# Altium PCB FD-KL-ASM-SUB-PCBA-MAIN.PcbDoc (part 1 of 4)
Units mm, origin at the board's own origin, x right, y up, seen from the top; angles counter-clockwise.
Board outline 32.6 x 105.94 mm, 4 copper layers (L1, L2, L3, L4), stack 1.514 mm thick; 339 components, 165 nets, 967 pads, 530 vias.
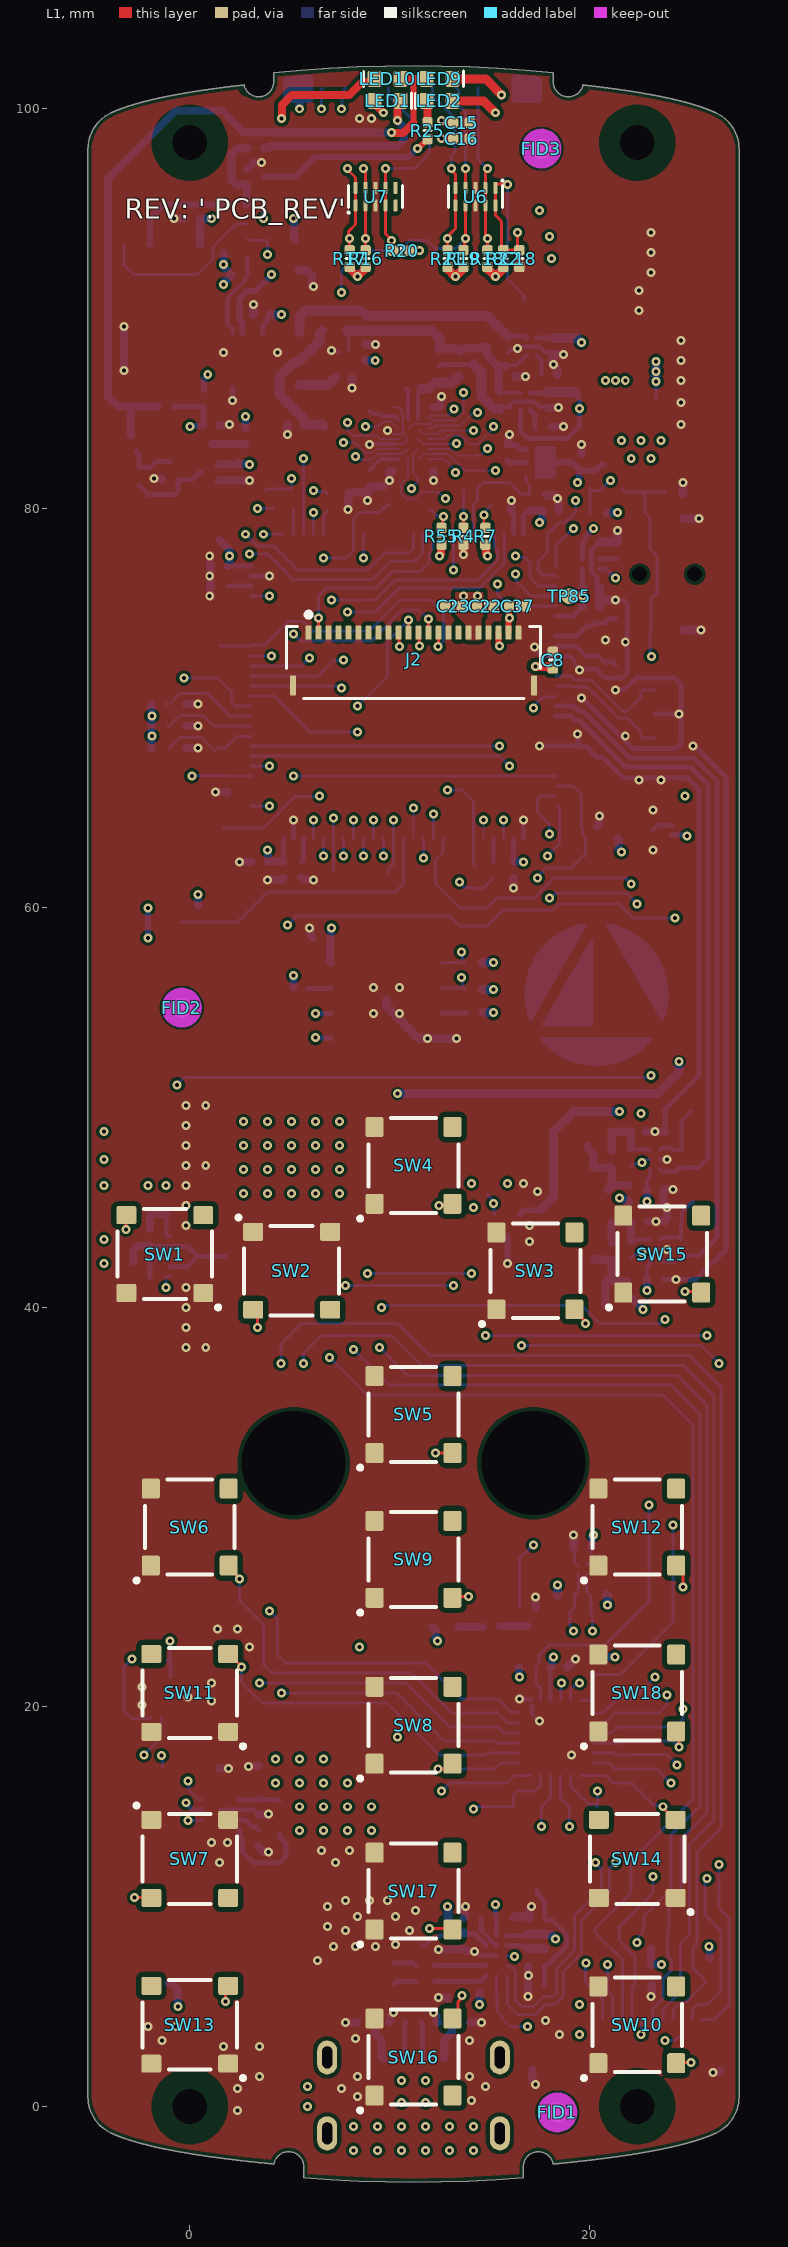
[diagram p0: L1 view]
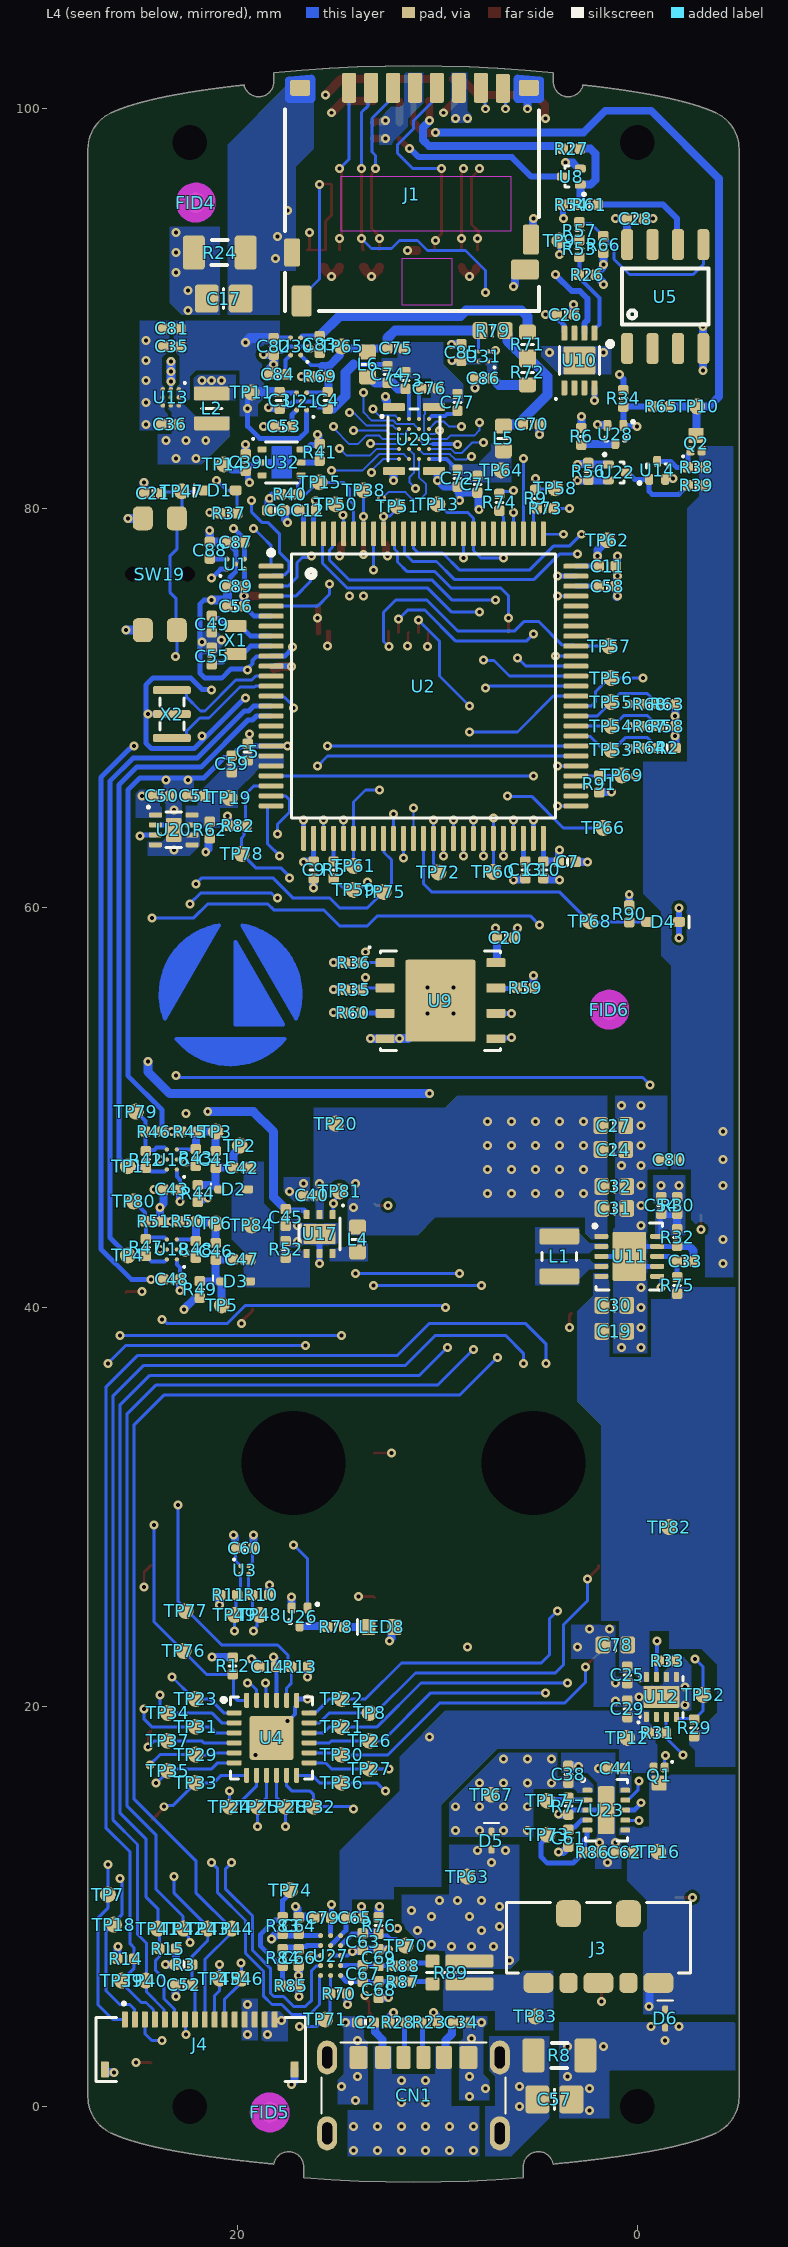
[diagram p1: L4 view, seen from below]
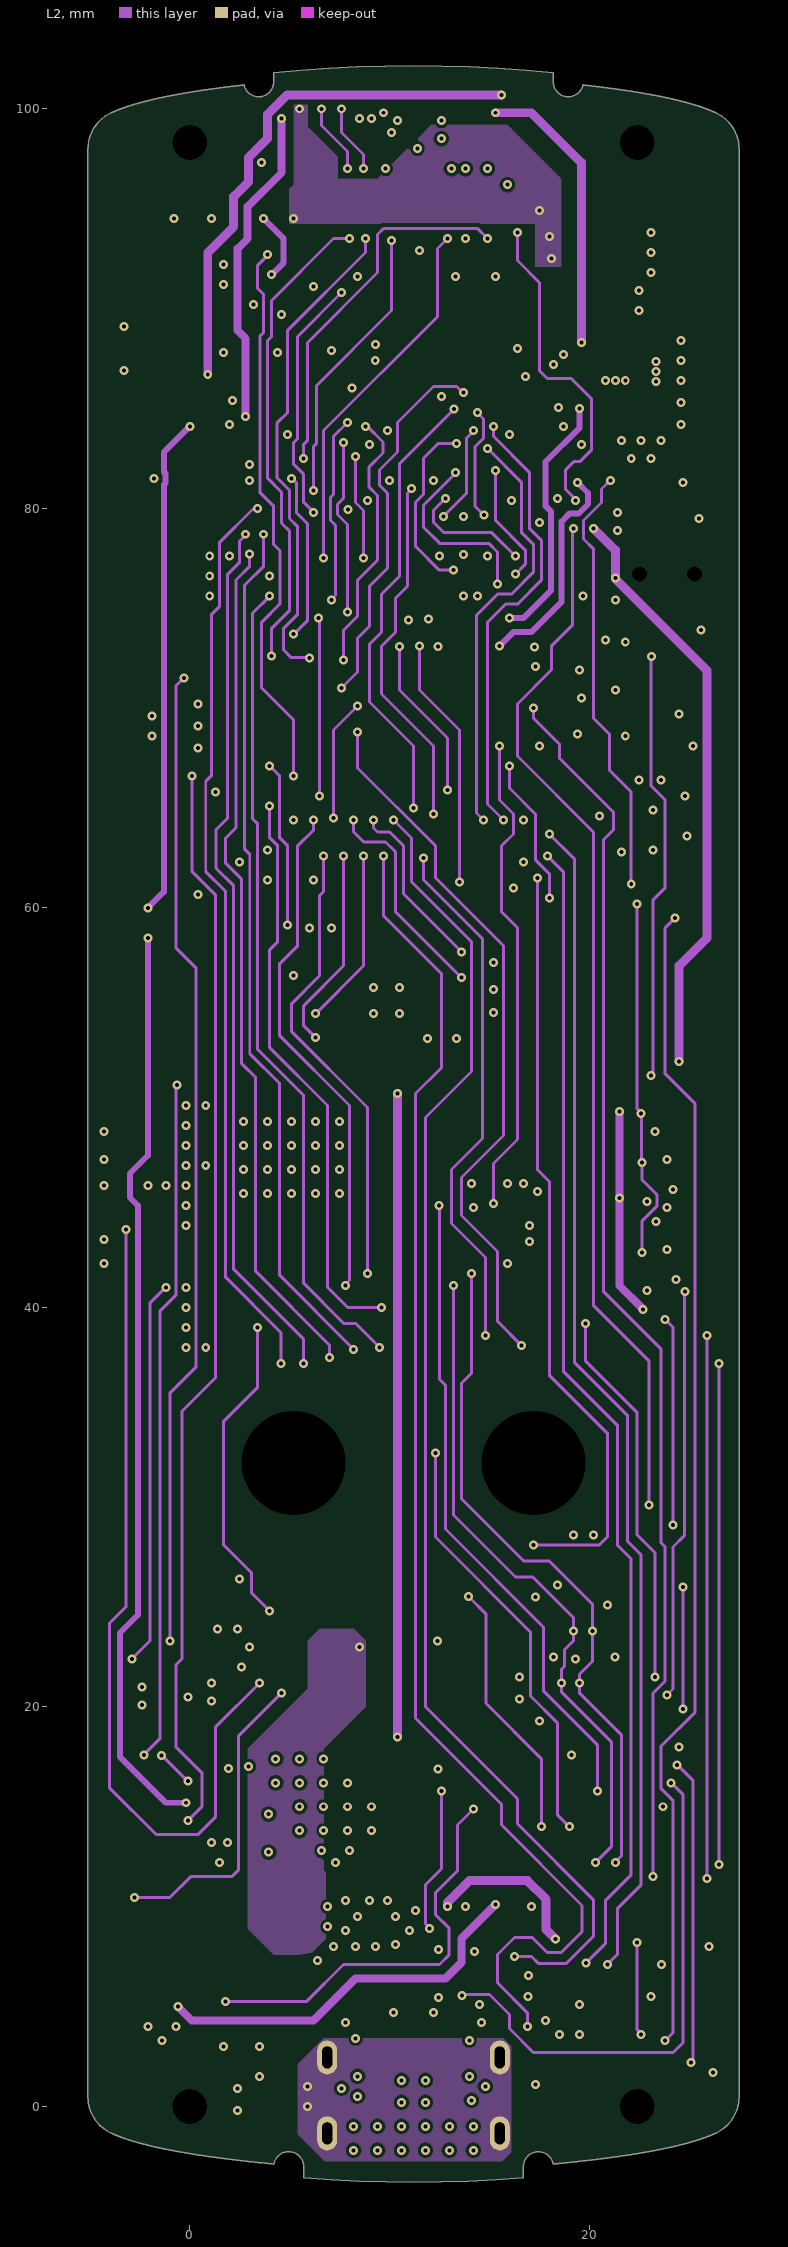
[diagram p2: L2]
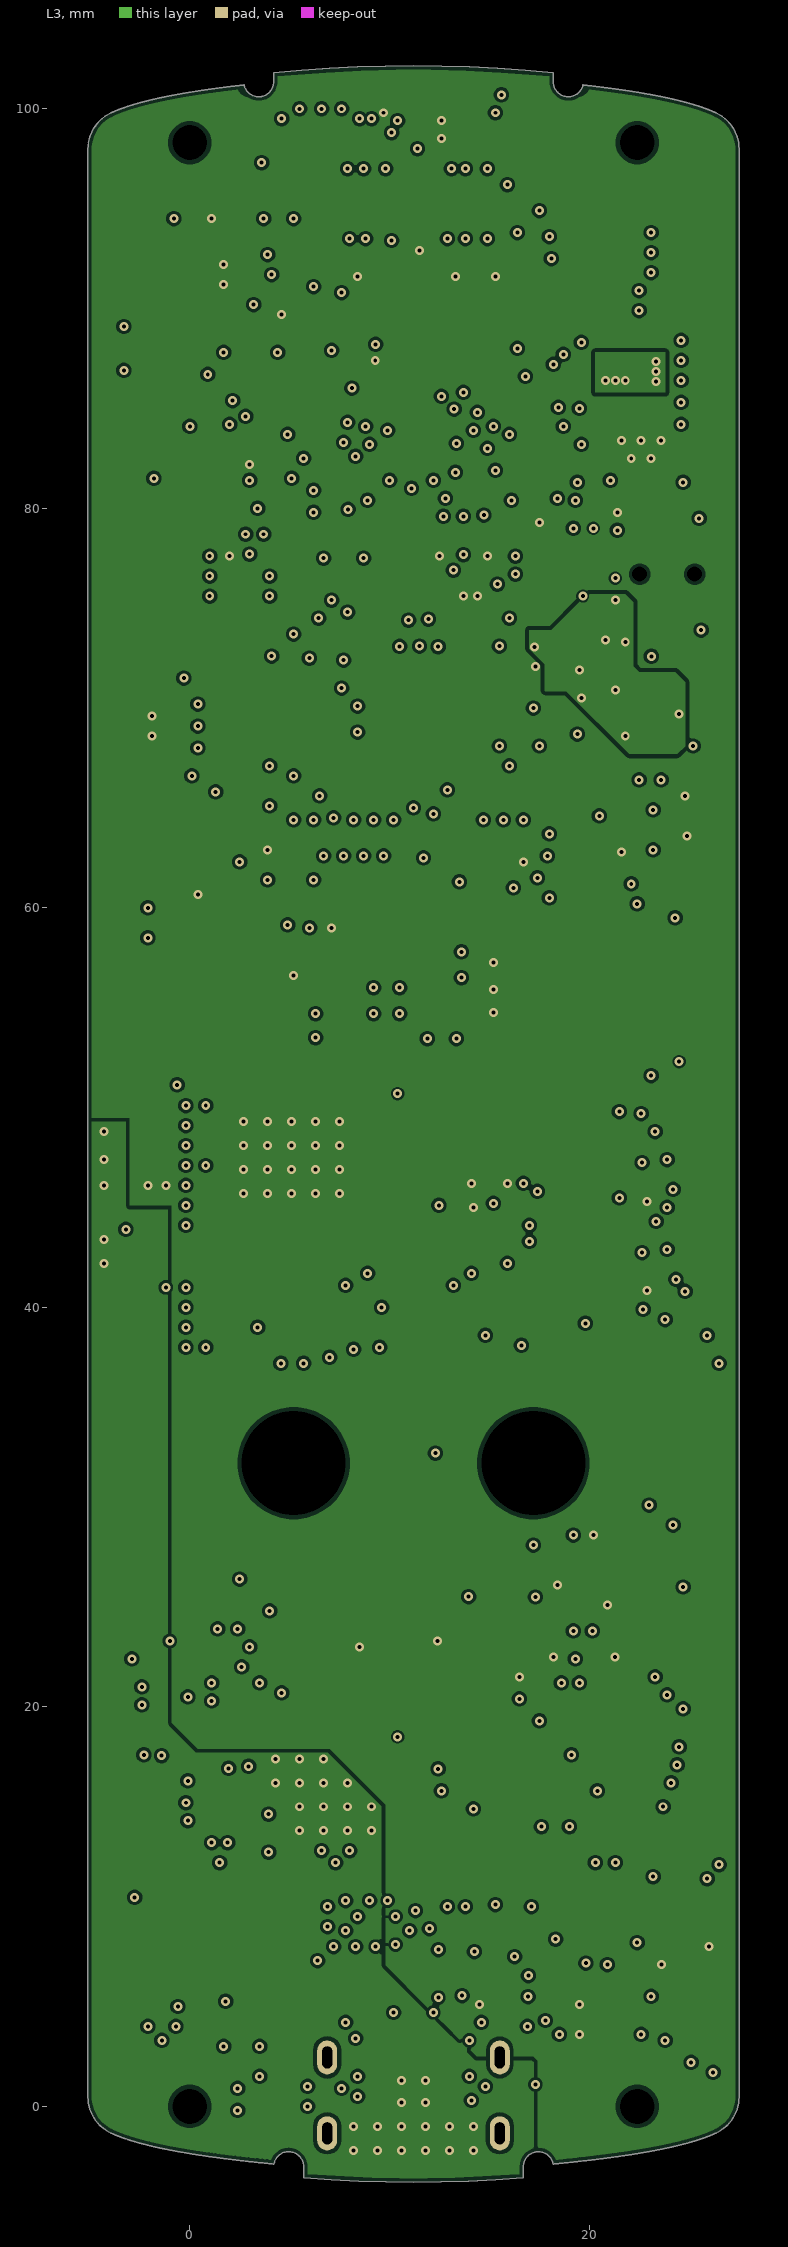
[diagram p3: L3]
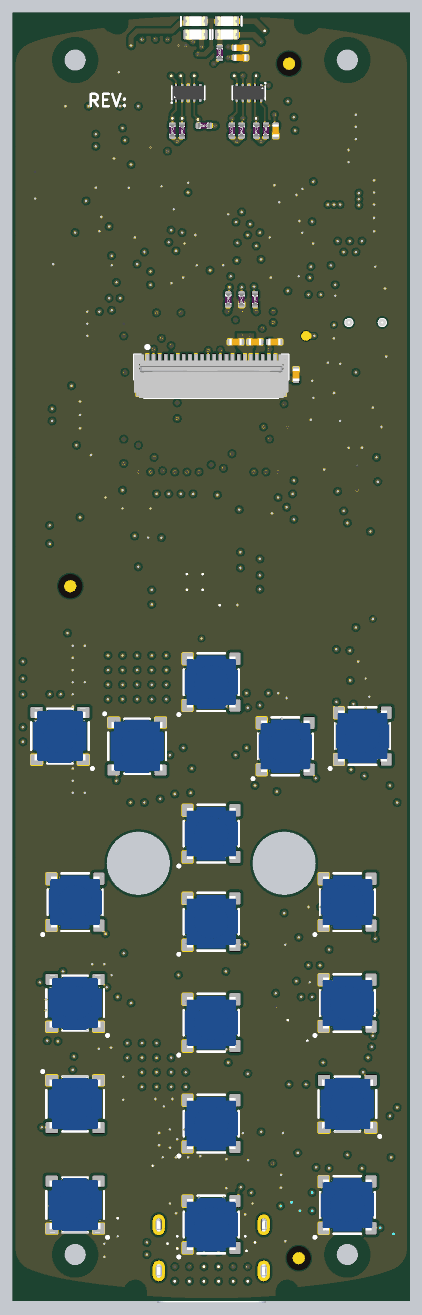
[diagram p7: 3D render of the assembled board from above, using the file's embedded part models]
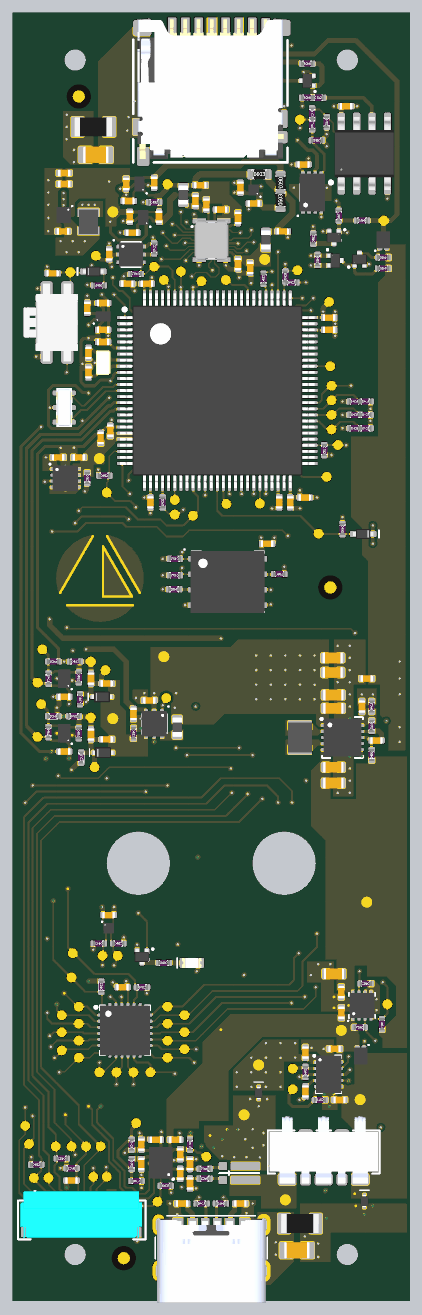
[diagram p8: 3D render of the assembled board from below, using the file's embedded part models]

## Layer stack, top to bottom
Top Solder: solder mask 0.0254, SM-001, Dk 4
L1: signal copper 0.033
Dielectric 1: prepreg 0.0848, PP-017, Dk 4.3
L2: signal copper 0.033
Dielectric 3: core 1.2121, Core-033, Dk 4.7
L3: signal copper 0.033
Dielectric 5: prepreg 0.0848, PP-017, Dk 4.3
L4: signal copper 0.033
Bottom Solder: solder mask 0.0254, SM-001, Dk 4

## Board outline
1202 vertices, not listed, extent -5.1,-3.79 27.5,102.146

## Design rules (kind name [scope] priority, off if disabled: settings)
BoardOutlineClearance Silkscreen [OnLayer('Top Overlay')] p1: gap=0.254 ignorepadtopadclearanceinfootprint=FALSE except(0: Arc-SplitContinuation Track-SplitContinuation SMDPad-SplitContinuation THPad-SplitContinuation Via-SplitContinuation Fill-SplitContinuation Poly-SplitContinuation Region-SplitContinuation Text-OutlineEdge Text-SplitContinuation; 0.14: Track-OutlineEdge; 0.2: SMDPad-OutlineEdge)
BoardOutlineClearance [All] p2: gap=0.254 ignorepadtopadclearanceinfootprint=FALSE except(0: Arc-SplitContinuation Track-SplitContinuation SMDPad-SplitContinuation THPad-SplitContinuation Via-SplitContinuation Fill-SplitContinuation Poly-SplitContinuation Region-SplitContinuation Text-OutlineEdge Text-SplitContinuation; 0.2: SMDPad-OutlineEdge Poly-OutlineEdge Region-OutlineEdge)
Clearance DCMI_Clearance [(InNetClass('DCMI') or InNet('DCMI_VREF1') or InNet('DCMI_VREF2') or InNet('+DCMI_AVDD') or InNet('+DCMI_DOVDD') or InNet('I2C1_SDA') or InNet('I2C1_SCL')) and Onlayer('L4') or InNet('+2V8_CAM_AVDD')] p1: gap=0.1 ignorepadtopadclearanceinfootprint=FALSE
Clearance +VBAT [InNet('+VBAT') or InNet('+VBAT_MCU')] p2: gap=0.1 ignorepadtopadclearanceinfootprint=FALSE
Clearance Switch [InComponent('SW*')] p3: gap=0.15 ignorepadtopadclearanceinfootprint=FALSE except(0.25: SMDPad-Fill SMDPad-Poly SMDPad-Region)
Clearance Fiducials [InComponent('FID1') or InComponent('FID2') or InComponent('FID3') or InComponent('FID4') or InComponent('FID5') or InComponent('FID6')] p4: gap=0.1 ignorepadtopadclearanceinfootprint=FALSE except(0: Arc-SMDPad)
Clearance [All] p5: gap=0.2 ignorepadtopadclearanceinfootprint=FALSE except(0.1: Track-THPad Track-Hole; 0.15: Track-SMDPad SMDPad-SMDPad SMDPad-Fill Via-Fill Via-Poly Via-Region; 0.19: SMDPad-Region)
ComponentClearance Step [(Identifier='FD-KL-HOUSING-FRONT') or (Identifier='FD-KL-FG-HOUSING-MID') or (Identifier='FD-KL-LATCH-BATTERY') or (Identifier='FD-KL-LENS-LIGHTPIPE') or (Identifier='FD-KL-ASM-FG-DISPLAY-LCD-IPS-2-INCH') or (Identifier='FD-KL-ASM-FG-KEYPAD') or (Identifier='FD-KL-ACTUATOR-BUTTON-POWER') or (Identifier='FD-KL-FG-COVER-REAR')] p1: gap=-1 collisioncheckmode=3 verticalgap=-1 showdistances=FALSE
ComponentClearance "R9 & R73" [InComponent('R9') vs InComponent('R73')] p2: gap=-1 collisioncheckmode=3 verticalgap=-1 showdistances=FALSE // LCD_SCS / JTAG_TDI
ComponentClearance "R9 & R73_1" [InComponent('R71') vs InComponent('R72')] p3: gap=-1 collisioncheckmode=3 verticalgap=-1 showdistances=FALSE // +2V8_CAM_DVDD select
ComponentClearance "R2 & R64" [InComponent('R2') vs InComponent('R64')] p4: gap=-1 collisioncheckmode=3 verticalgap=-1 showdistances=FALSE // BRDREV_0
ComponentClearance "R58 & R67" [InComponent('R58') vs InComponent('R67')] p5: gap=-1 collisioncheckmode=3 verticalgap=-1 showdistances=FALSE // BRDREV_1
ComponentClearance "R63 & R68" [InComponent('R63') vs InComponent('R68')] p6: gap=-1 collisioncheckmode=3 verticalgap=-1 showdistances=FALSE // BRDREV_2
ComponentClearance "R53 & R57" [InComponent('R53') vs InComponent('R57')] p7: gap=-1 collisioncheckmode=3 verticalgap=-1 showdistances=FALSE // SE_Data
ComponentClearance "R54 & R61" [InComponent('R54') vs InComponent('R61')] p8: gap=-1 collisioncheckmode=3 verticalgap=-1 showdistances=FALSE // SE_GPIO
ComponentClearance "R53 & R54" [InComponent('R53') vs InComponent('R54')] p9: gap=-1 collisioncheckmode=3 verticalgap=-1 showdistances=FALSE // LCD_SCS / JTAG_TDI
ComponentClearance "R69 & R70" [InComponent('R69') vs InComponent('R70')] p10: gap=-1 collisioncheckmode=3 verticalgap=-1 showdistances=FALSE // SE_SWD
ComponentClearance "R62 & C51" [InComponent('R62') vs InComponent('C51')] p11: gap=-1 collisioncheckmode=3 verticalgap=-1 showdistances=FALSE // VREF
ComponentClearance Mech [Identifier='FD-1842_Assem_v05_2020-06-12'] p12: gap=-1 collisioncheckmode=3 verticalgap=-1 showdistances=FALSE
ComponentClearance [All] p13: gap=0.1 collisioncheckmode=3 verticalgap=0.1 showdistances=FALSE
DiffPairsRouting [All] p1: maxlimit=0.2 minlimit=0.2 mostfreqgap=0.2 toplayer_minwidth=0.2 toplayer_maxwidth=0.2 toplayer_prefwidth=0.2 midlayer1_minwidth=0.2 midlayer1_maxwidth=0.2 midlayer1_prefwidth=0.2 midlayer2_minwidth=0.2 midlayer2_maxwidth=0.2 midlayer2_prefwidth=0.2 bottomlayer_minwidth=0.2 bottomlayer_maxwidth=0.2 bottomlayer_prefwidth=0.2 maxuncoupledlength=12.7
Height Battery_Clearance [TouchesRoom('BatteryClearance')] p1: minheight=0 maxheight=1 prefheight=0.5
Height [All] p2: minheight=0 maxheight=25.4 prefheight=12.7
HoleSize [All] p1: absolutevalues=TRUE maxlimit=5.5 minlimit=0.2 maxpercent=80.000 minpercent=20.000
HoleToHoleClearance [All] p1: gap=0.2 allowstackedmicrovias=TRUE
MinimumAnnularRing [All] p1: minimumring=0.099
MinimumSolderMaskSliver [All] p1: minsoldermaskwidth=0.049
PlaneClearance [All] p1: clearance=0.381
PlaneConnect [All] p1: pad.planeconnectstyle=Relief pad.reliefexpansion=0.508 pad.reliefentries=4 pad.reliefconductorwidth=0.254 pad.reliefairgap=0.254 via.planeconnectstyle=Direct via.reliefexpansion=0.508 via.reliefentries=4 via.reliefconductorwidth=0.254 via.reliefairgap=0.254
PolygonConnect "Power PolygonConnect" [InNet('+2V8') or InNet('GND')] p1: thpad.connectstyle=Relief thpad.reliefconductorwidth=0.4 thpad.reliefentries=4 thpad.polygonreliefangle="90 Angle" thpad.airgapwidth=0.2 smdpad.connectstyle=Direct smdpad.reliefconductorwidth=0.254 smdpad.reliefentries=4 smdpad.polygonreliefangle="90 Angle" smdpad.airgapwidth=0.254 via.connectstyle=Direct via.reliefconductorwidth=0.254 via.reliefentries=4 via.polygonreliefangle="90 Angle" via.airgapwidth=0.254
PolygonConnect [All] p2: connectstyle=Direct reliefconductorwidth=0.6 reliefentries=4 polygonreliefangle="90 Angle" airgapwidth=0.254
RoutingLayers [All] p1: top layer_v5=TRUE mid layer 1_v5=TRUE mid layer 2_v5=FALSE bottom layer_v5=TRUE
RoutingVias [All] p1: holewidth=0.3 width=0.6 viastyle="Through Hole" minholewidth=0.2 minwidth=0.4 maxholewidth=0.4 maxwidth=0.8
SMDNeckDown [All] p1: percent=100.000
SilkToSilkClearance [All] p1: silktosilkclearance=0.1
SilkToSolderMaskClearance SilkscreenOverComponentPads [IsPad] p1: minsilkscreentomaskgap=0.08 clearancetoexposedcopper=TRUE
SolderMaskExpansion [All] p1: expansion=0.05 istentingtop=FALSE
ViasUnderSMD [(not InNet('GND'))] p1: allowed=FALSE
Width DCMI_Width [InNetClass('DCMI') or InNet('I2C1_SCL') or InNet('I2C1_SDA') or InNet('GND')] p1: maxlimit=1 minlimit=0.1 preferedwidth=0.1
Width [All] p2: maxlimit=5 minlimit=0.1 preferedwidth=0.15 midlayer1_minwidth=0.15 midlayer2_minwidth=0.15 bottomlayer_minwidth=0.15 minimp=50.000000 maximp=50.000000 favimp=50.000000
19 further rules are at their usual default settings.

## Classes and differential pairs
component class U_Charger: C2 C34 C38 C44 C57 C61 C62 C63 C64 C65 C66 C67 C68 C69 C79 C80 CN1 D4 D5 D6 J3 LED9 LED10 Q1 Q2 R6 R8 R23 R28 R34 R38 R39 R56 R65 R70 R76 R77 R83 R84 R85 R86 R87 R88 R89 R90 R91 TP10 TP12 TP16 TP17 TP67 TP68 TP69 TP70 TP71 TP72 TP73 TP74 TP83 U14 U22 U23 U27 U28
component class U_Debug: J4 R14 R15 TP7 TP18 TP39 TP40 TP41 TP42 TP43 TP44 TP45 TP46
component class Title: PCB1
net class SPI4: SPI4_MISO SPI4_MOSI SPI4_NSS SPI4_SCK
net class DCMI: DCMI_D0 DCMI_D1 DCMI_D2 DCMI_D3 DCMI_D4 DCMI_D5 DCMI_D6 DCMI_D7 DCMI_HREF DCMI_PCLK DCMI_PWDN DCMI_VSYNC DCMI_XVCLK
net class KBD_K[17..0]: KBD_K0 KBD_K1 KBD_K2 KBD_K3 KBD_K4 KBD_K5 KBD_K6 KBD_K7 KBD_K8 KBD_K9 KBD_K10 KBD_K11 KBD_K12 KBD_K13 KBD_K14 KBD_K15 KBD_K16 KBD_K17
net class DCMI_D[7..0]: DCMI_D0 DCMI_D1 DCMI_D2 DCMI_D3 DCMI_D4 DCMI_D5 DCMI_D6 DCMI_D7
net class "SD Card": SD_CK SD_CMD SD_D0 SD_D1 SD_D2 SD_D3
net class LCD: LCD_D/C LCD_RESET LCD_SCLK LCD_SCS LCD_SI
net class Keyboard: I2C2_SCL I2C2_SDA KBD_INT# KBD_RST#
net class Buttons: KBD_K0 KBD_K1 KBD_K2 KBD_K3 KBD_K4 KBD_K5 KBD_K6 KBD_K7 KBD_K8 KBD_K9 KBD_K10 KBD_K11 KBD_K12 KBD_K13 KBD_K14 KBD_K15 KBD_K16 KBD_K17
component class U_Noise: C40 C41 C42 C43 C45 C46 C47 C48 D2 D3 L4 R42 R43 R44 R45 R46 R47 R48 R49 R50 R51 R52 TP1 TP2 TP3 TP4 TP5 TP6 TP79 TP80 TP81 TP84 U16 U17 U18
component class U_STM32H753: C5 C6 C7 C8 C9 C10 C11 C12 C13 C49 C52 C55 C56 C58 C59 C87 C88 C89 FID1 FID2 FID3 FID4 FID5 FID6 R2 R3 R4 R5 R9 R58 R63 R64 R67 R68 R73 R74 TP13 TP38 TP53 TP54 TP55 TP85 U1 U2 X1 X2
component class U_Power: = C19 C24 C25 C27 C29 C30 C31 C32 C33 C35 C36 C39 C50 C51 C54 C78 C81 L1 L2 R29 R30 R31 R32 R33 R40 R41 R62 R75 TP11 TP14 TP15 TP19 TP20 TP52 TP56 TP82 U11 U12 U13 U20 U32
component class U_LCD-Memory: C20 C22 C23 C26 C28 C37 C60 J2 LED1 LED2 R25 R26 R27 R35 R36 R53 R54 R57 R59 R60 R61 R66 TP9 TP57 TP58 TP59 TP60 TP61 TP62 TP63 TP66 U3 U5 U8 U9 U10
component class U_Interface: C14 C15 C16 C17 C18 C21 D1 J1 LED8 R10 R11 R12 R13 R16 R17 R18 R19 R20 R21 R22 R24 R37 R78 R82 SW1 SW2 SW3 SW4 SW5 SW6 SW7 SW8 SW9 SW10 SW11 SW12 SW13 SW14 SW15 SW16 SW17 SW18 SW19 TP8 TP21 TP22 TP23 TP24 TP25 TP26 TP27 TP28 TP29 TP30 TP31 TP32 TP33 TP34 TP35 TP36 TP37 TP47 TP48 TP49 TP75 TP76 TP77 TP78 U4 U6 U7 U26
component class U_Camera: C3 C4 C53 C70 C71 C72 C73 C74 C75 C76 C77 C82 C83 C84 C85 C86 L5 L6 R7 R55 R69 R71 R72 R79 TP50 TP51 TP64 TP65 U21 U29 U30 U31

## Components (designator, comment, footprint, x,y, rotation, side; value= is the part's Value field where it differs from the comment)
C2 "CAP CER 0.01uF 50V 10% X7R 0402" CAPC0402(1005)55_L 13.6,4.2 r180 bottom
C3 "CAP CER 0.1uF 16V 10% X7R 0402" CAPC0402(1005)55_L 17.9,85.4 r270 bottom
C4 "CAP CER 2.2uF 6.3V 10% X5R 0402" CAPC0402(1005)55_L 15.5,85.4 r270 bottom
C5 "CAP CER 0.1uF 16V 10% X7R 0402" CAPC0402(1005)55_L 19.5,67.8 r270 bottom
C6 "CAP CER 0.1uF 16V 10% X7R 0402" CAPC0402(1005)55_L 18.1,79.9 r180 bottom
C7 "CAP CER 0.1uF 16V 10% X7R 0402" CAPC0402(1005)55_L 3.5,62.3 r0 bottom
C8 "CAP CER 0.1uF 16V 10% X7R 0402" CAPC0402(1005)55_L 18.177,72.4 r270 top
C9 "CAP CER 0.1uF 16V 10% X7R 0402" CAPC0402(1005)55_L 16.2,61.9 r90 bottom
C10 "CAP CER 0.1uF 16V 10% X7R 0402" CAPC0402(1005)55_L 4.7,61.9 r90 bottom
C11 "CAP CER 0.1uF 16V 10% X7R 0402" CAPC0402(1005)55_L 1.5,77.1 r0 bottom
C12 "CAP CER 0.1uF 16V 10% X7R 0402" CAPC0402(1005)55_L 16.5,79.9 r0 bottom
C13 "CAP CER 2.2uF 6.3V 10% X5R 0402" CAPC0402(1005)55_L 5.6,61.9 r270 bottom
C14 "CAP CER 0.1uF 16V 10% X7R 0402" CAPC0402(1005)55_L 18.5,22 r0 bottom
C15 "CAP CER 0.1uF 16V 10% X7R 0402" CAPC0402(1005)55_L 13.6,99.3 r0 top
C16 "CAP CER 4.7UF 10V 20% X5R 0402" CAPC0402(1005)55_L 13.6,98.5 r0 top
C17 "CAP CER 1000pF 1000V 10% X7R 0805" CAPC0805(2012)145_N 20.7,90.5 r180 bottom
C18 "CAP CER 0.1uF 16V 10% X7R 0402" CAPC0402(1005)55_L 16.5,92.5 r270 top
C19 "CAP CER 22uF 6.3V 20% X5R 0603" CAPC0603(1608)90_L 1.15,38.8 r180 bottom
C20 "CAP CER 0.1uF 16V 10% X7R 0402" CAPC0402(1005)55_L 6.6,58.5 r180 bottom
C21 "CAP CER 0.1uF 16V 10% X7R 0402" CAPC0402(1005)55_L 24.25,80.75 r0 bottom
C22 "CAP CER 0.1uF 16V 10% X7R 0402" CAPC0402(1005)55_L 14.8,75.1 r0 top
C23 "CAP CER 0.1uF 16V 10% X7R 0402" CAPC0402(1005)55_L 13.2,75.1 r180 top
C24 "CAP CER 22uF 6.3V 20% X5R 0603" CAPC0603(1608)90_L 1.2,47.9 r180 bottom
C25 "CAP CER 0.1uF 16V 10% X7R 0402" CAPC0402(1005)55_L 0.5,21.6 r270 bottom
C26 "CAP CER 0.1uF 16V 10% X7R 0402" CAPC0402(1005)55_L 3.6,89.7 r180 bottom
C27 "CAP CER 22uF 6.3V 20% X5R 0603" CAPC0603(1608)90_L 1.2,49.1 r180 bottom
C28 "CAP CER 0.1uF 16V 10% X7R 0402" CAPC0402(1005)55_L 0.1,94.5 r180 bottom
C29 "CAP CER 0.1uF 16V 10% X7R 0402" CAPC0402(1005)55_L 0.491,19.9 r90 bottom
C30 "CAP CER 10uF 6.3V 20% X5R 0603" CAPC0603(1608)90_L 1.15,40.1 r180 bottom
C31 "CAP CER 10uF 6.3V 20% X5R 0603" CAPC0603(1608)90_L 1.15,44.95 r180 bottom
C32 "CAP CER 10uF 6.3V 20% X5R 0603" CAPC0603(1608)90_L 1.15,46.05 r180 bottom
C33 "CAP CER 0.1uF 16V 10% X7R 0402" CAPC0402(1005)55_L -2.4,42.3 r180 bottom
C34 "CAP CER 0.01uF 50V 10% X7R 0402" CAPC0402(1005)55_L 8.8,4.2 r0 bottom
C35 "CAP CER 4.7UF 10V 20% X5R 0402" CAPC0402(1005)55_L 23.3,88.1 r0 bottom
C36 "CAP CER 4.7UF 10V 20% X5R 0402" CAPC0402(1005)55_L 23.4,84.2 r0 bottom
C37 "CAP CER 0.1uF 16V 10% X7R 0402" CAPC0402(1005)55_L 16.4,75.1 r0 top
C38 "CAP CER 0.1uF 16V 10% X7R 0402" CAPC0402(1005)55_L 3.45,16.626 r270 bottom
C39 "CAP CER 0.1uF 16V 10% X7R 0402" CAPC0402(1005)55_L 19.6,82.3 r90 bottom
C40 "CAP CER 2.2uF 6.3V 10% X5R 0402" CAPC0402(1005)55_L 16.3,45.6 r0 bottom
C41 "CAP CER 1500pF 50V 10% X7R 0402" CAPC0402(1005)55_L 21.1,47.4 r90 bottom
C42 "CAP CER 220pF 50V 5% C0G 0402" CAPC0402(1005)55_L 19.8,47 r0 bottom
C43 "CAP CER 0.1uF 16V 10% X7R 0402" CAPC0402(1005)55_L 23.3,45.9 r180 bottom
C44 "CAP CER 1uF 25V 10% X5R 0402" CAPC0402(1005)55_L 1.05,16.926 r0 bottom
C45 "CAP CER 1uF 25V 10% X5R 0402" CAPC0402(1005)55_L 17.6,44.5 r270 bottom
C46 "CAP CER 1500pF 50V 10% X7R 0402" CAPC0402(1005)55_L 21.1,42.8 r90 bottom
C47 "CAP CER 220pF 50V 5% C0G 0402" CAPC0402(1005)55_L 19.8,42.4 r0 bottom
C48 "CAP CER 0.1uF 16V 10% X7R 0402" CAPC0402(1005)55_L 23.3,41.4 r180 bottom
C49 "CAP CER 1.5pF 50V C0G 0402" CAPC0402(1005)55_L 21.3,74.2 r270 bottom
C50 "CAP CER 2.2uF 6.3V 10% X5R 0402" CAPC0402(1005)55_L 23.8,65.6 r180 bottom
C51 "CAP CER 1500pF 50V 10% X7R 0402" CAPC0402(1005)55_L 22.1,65.6 r0 bottom
C52 "CAP CER 0.1uF 16V 10% X7R 0402" CAPC0402(1005)55_L 22.7,6.1 r0 bottom
C53 "CAP CER 0.047uF 10V 10% X7R 0402" CAPC0402(1005)55_L 17.7,84.1 r0 bottom
C54 "CAP CER 1.5pF 50V C0G 0402" CAPC0402(1005)55_L -1.2,45.1 r270 bottom
C55 "CAP CER 1.5pF 50V C0G 0402" CAPC0402(1005)55_L 21.3,72.6 r90 bottom
C56 "CAP CER 0.1uF 16V 10% X7R 0402" CAPC0402(1005)55_L 20.1,75.1 r180 bottom
C57 "CAP CER 1000pF 1000V 10% X7R 0805" CAPC0805(2012)145_N 4.15,0.35 r0 bottom
C58 "CAP CER 2.2uF 6.3V 10% X5R 0402" CAPC0402(1005)55_L 1.5,76.1 r180 bottom
C59 "CAP CER 1uF 25V 10% X5R 0402" CAPC0402(1005)55_L 20.3,67.2 r90 bottom
C60 "CAP CER 0.1uF 16V 10% X7R 0402" CAPC0402(1005)55_L 19.65,27.95 r180 bottom
C61 "CAP CER 0.1uF 16V 10% X7R 0402" CAPC0402(1005)55_L 3.45,13.426 r270 bottom
C62 "CAP CER 0.1uF 16V 10% X7R 0402" CAPC0402(1005)55_L 0.65,12.726 r0 bottom
C63 "CAP CER 1uF 25V 10% X5R 0402" CAPC0402(1005)55_L 13.75,8.25 r90 bottom
C64 "CAP CER 0.033uF 25V 10% X7R 0402" CAPC0402(1005)55_L 16.95,9.05 r90 bottom
C65 "CAP CER 0.1uF 16V 10% X7R 0402" CAPC0402(1005)55_L 14.15,9.45 r0 bottom
C66 "CAP CER 0.1uF 16V 10% X7R 0402" CAPC0402(1005)55_L 16.95,7.45 r90 bottom
C67 "CAP CER 0.1uF 16V 10% X7R 0402" CAPC0402(1005)55_L 13.75,6.65 r90 bottom
C68 "CAP CER 0.1uF 16V 10% X7R 0402" CAPC0402(1005)55_L 12.95,5.85 r90 bottom
C69 "CAP CER 0.1uF 16V 10% X7R 0402" CAPC0402(1005)55_L 12.95,7.45 r90 bottom
C70 "CAP CER 4.7UF 10V 20% X5R 0402" CAPC0402(1005)55_L 5.3,84.2 r180 bottom
C71 "CAP CER 4.7UF 10V 20% X5R 0402" CAPC0402(1005)55_L 8,81.2 r270 bottom
C72 "CAP CER 0.1uF 16V 10% X7R 0402" CAPC0402(1005)55_L 9,81.5 r270 bottom
C73 "CAP CER 0.1uF 16V 10% X7R 0402" CAPC0402(1005)55_L 11.6,86.4 r90 bottom
C74 "CAP CER 4.7UF 10V 20% X5R 0402" CAPC0402(1005)55_L 12.5,86.7 r90 bottom
C75 "CAP CER 4.7UF 10V 20% X5R 0402" CAPC0402(1005)55_L 12.1,88 r180 bottom
C76 "CAP CER 0.1uF 16V 10% X7R 0402" CAPC0402(1005)55_L 10.4,86 r180 bottom
C77 "CAP CER 0.1uF 16V 10% X7R 0402" CAPC0402(1005)55_L 9,85.3 r90 bottom
C78 "CAP CER 22uF 6.3V 20% X5R 0603" CAPC0603(1608)90_L 1.1,23.1 r0 bottom
C79 "CAP CER 0.1uF 16V 10% X7R 0402" CAPC0402(1005)55_L 15.75,9.45 r0 bottom
C80 "CAP CER 0.1uF 16V 10% X7R 0402" CAPC0402(1005)55_L -1.6,47.4 r180 bottom